# Altium PCB Standby_PS.PcbDoc (part 2 of 2)
Units mm, origin at the board's own origin, x right, y up, seen from the top; angles counter-clockwise.
Board outline 230 x 80 mm, 2 copper layers (Top Layer, Bottom Layer), stack 1.071 mm thick; 207 components, 84 nets, 482 pads, 84 vias.
Unrouted connection lines stored in the file: 340.
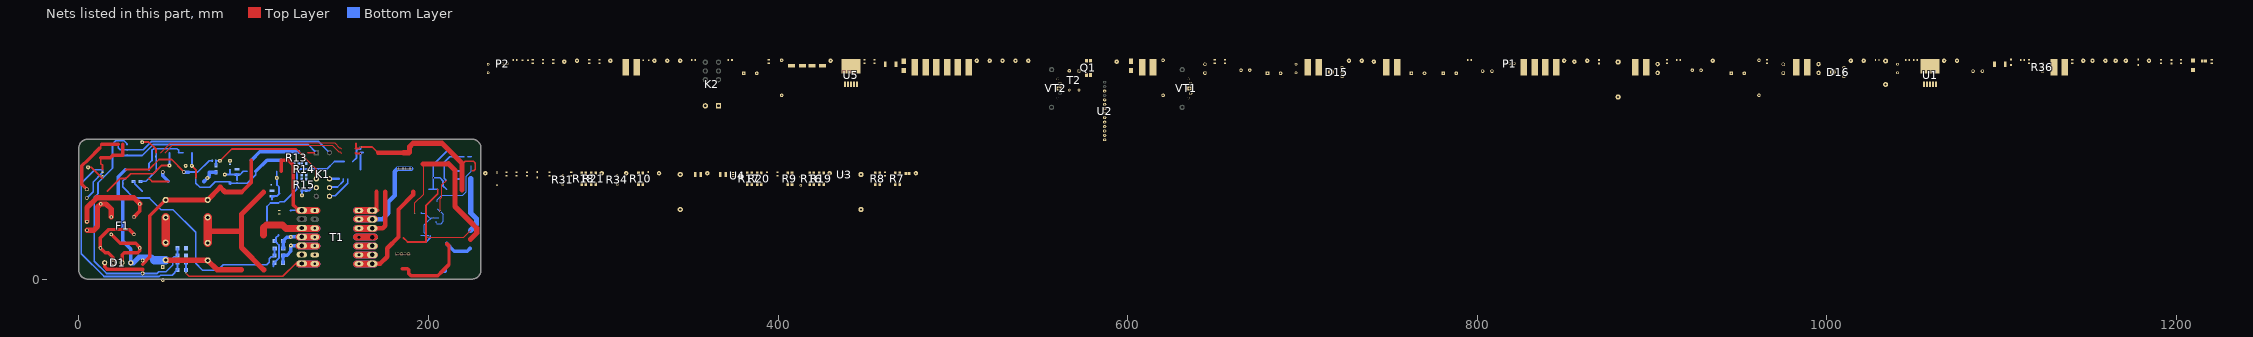
[diagram p2: the nets of this part, all layers, seen from the top]

## Part data
C1 C19: library part CAP_polar_Hitano
C2 C4 C6 C9 C18 C20 C21 C22 C23 C28 C30 C31 C34 C35 C36 C39 C41 C43 C47: library part CAP-NON-POLAR
C5 C8 C29 C32 C33 C37 C38 C45: library part CAP-POLAR
C24 C25 C26: library part CAP-V
C27 C40: library part CMP-1036-04552-2, "CAP CER 0.22UF 50V X7R 0805", Capacitance="0.22 μF", Manufacturer=KEMET, Manufacturer Part Number=C0805C224K5RACTU, Package=C0805C-DN, Temperature="-55°C to +125°C", Temperature Characteristic=X7R, Temperature Coefficient=30ppm/°C, Temperature Range High=+125°C, Temperature Range Low=-55°C, Tolerance=0.1, Voltage Rating="50 V", Automotive=No, Category=Cap, ComponentLink2Description=Datasheet, ComponentLink2URL=https://content.kemet.com/datasheets/KEM_C1003_C0G_SMD.pdf, Device Class L1="Passive Components", Device Class L2=Capacitors, Device Class L3="Ceramic Capacitors", Digikey Description="CAP CER 0.22UF 50V X7R 0805", Height=0.88mm, Ipc Land Pattern Name=CAPC200125X78, Lead Free=Yes, Material=Ceramic, Mouser Description="CAP CER 0.22UF 50V X7R 0805", Octopart=https://octopart.com/c0805c224k5ractu-kemet-144670, RoHS=TRUE
C44 C46: library part CAP_POL_SMD
D2 D18: library part SS36_Schottky
D7 D8 D9 D10 VD7 VD8 VD9 VD10 VD11: library part 1N4148, "Fast Switching Diode, 100 V, 0.15 A, -65 to 150 degC, 2-Pin?SOD123, RoHS, Tape and Reel", If - Forward Current=0.15A, Ir - Reverse Current=1uA, Manufacturer=DiodesIncorporated, Max Surge Current=2A, Maximum Operating Temperature=+150C, Minimum Operating Temperature=-65C, Operating Temperature Range=-65Cto+150C, Package / Case=SOD-123, Package Reference=SOD123-2, Peak Reverse Voltage=100V, Vf - Forward Voltage=1.25V, Brand=DiodesIncorporated, Configuration=Single, Datasheet URL=http://www.farnell.com/datasheets/1915529.pdf, Datasheet Version="Rev. 24-2, 10/2013", Factory Pack Quantity=3000, Height=1.25mm, Length=2.85mm, Manufacturer URL=http://www.diodes.com/, Mounting Style=SMD/SMT, Package URL=http://www.diodes.com/datasheets/ds18004.pdf, Packaging=Reel, Product=SwitchingDiodes, Product Category=Diodes-GeneralPurpose,Power,Switching, Recovery Time=4ns, RoHS=True, Series=1N4148, Type=SwitchingDiode, Unit Weight=0.000353oz, Width=1.7mm
D17: library part CMP-02541-000026-1, "DIODE ZENER 8.2V 500MW DO35", Case/Package=DO-35, Max Operating Temperature=175°C, Max Power Dissipation=500mW, Max Reverse Leakage Current=100nA, Min Operating Temperature=-65°C, Package Quantity=30000, Test Current=5mA, Tolerance=2%, Zener Voltage=8.2V, Contact Plating=Tin, Element Configuration=Single, ESD Protection=No, Impedance=7R, Lead Free="Lead Free", Mount="Through Hole", Number of Pins=2, Packaging="Ammo Pack", Power Dissipation=500mW, Radiation Hardening=No, RoHS Compliant=Yes, Series="Automotive, AEC-Q101", Voltage Tolerance=2%
D19 D20 D21: library part LED, "WURTH ELEKTRONIK - 151031YS06000 - LED, Yellow, Through Hole, T-1 (3mm), 30 mA, 2 V, 590 nm", Manufacturer_Name="Wurth Elektronik", Manufacturer_Part_Number=151031YS06000, Mouser Part Number=710-151031YS06000, Datasheet Link=https://katalog.we-online.de/led/datasheet/151031YS06000.pdf, Geometry.Height=5.5mm, Mouser Price/Stock=https://www.mouser.co.uk/ProductDetail/Wurth-Elektronik/151031YS06000?qs=LlUlMxKIyB3xSYYW%252BcuBiQ%3D%3D
J1 J4: "WR-TBL Series 101 Horizontal Entry Modular, THT, pitch 5mm, 2p", Manufacturer="Wurth Elektronik", Operating Temperature Max=105°C, Operating Temperature Min=-40°C, Rated Current=16A, Working Voltage=250V, Application="Pressure Clamp", Category="Terminal Blocks", ComponentLink1Description="Website Link", ComponentLink1URL=https://www.we-online.com/redexpert/article/691101710002?ad, ComponentLink2Description="Datasheet Link", ComponentLink2URL=https://www.we-online.com/redexpert/spec/691101710002?ad, Manufacturer Part Number=691101710002, Match Code=WR-TBL, Modularity=Yes, Mount="Through Hole", Number of Pins=2, Number of Rows=1, Orientation=Horizontal, Packaging=Box, Pitch=5mm
J2 J3: "WR-TBL Series 102 Horizontal Entry Modular, THT, pitch 5mm, 2p", Manufacturer="Wurth Elektronik", Operating Temperature Max=105°C, Operating Temperature Min=-40°C, Rated Current=15A, Working Voltage=250V, Application="Pressure Clamp", Category="Terminal Blocks", ComponentLink1Description="Website Link", ComponentLink1URL=https://www.we-online.com/redexpert/article/691102710002?ad, ComponentLink2Description="Datasheet Link", ComponentLink2URL=https://www.we-online.com/redexpert/spec/691102710002?ad, Manufacturer Part Number=691102710002, Match Code=WR-TBL, Modularity=Yes, Mount="Through Hole", Number of Pins=2, Number of Rows=1, Orientation=Horizontal, Packaging=Box, Pitch=5mm
K2: library part F1CA005V, "F1CA005V"
L1 L2 L3 L5 L6 L7 L8 L9 L10 L11: library part 744776012, "WE-PD2 SMT Power Inductor, size 1054, 1.2µH, 7.4A, 0.006Ω", Case/Size Code=1054, DC Resistance=0.004Ω, DC Resistance Max=0.006Ω, Inductance=1.2µH, Manufacturer="Wurth Elektronik", Operating Temperature Max=125°C, Operating Temperature Min=-40°C, Rated Current=7.4A, Saturation Current=11A, Self Resonant Frequency=110MHz, Category="Unshielded Power Inductors", ComponentLink1Description="Website Link", ComponentLink1URL=https://www.we-online.com/redexpert/article/744776012?ad, ComponentLink2Description="Datasheet Link", ComponentLink2URL=https://www.we-online.com/redexpert/spec/744776012?ad, Height=5.4mm, Length=10mm, Manufacturer Part Number=744776012, Match Code=WE-PD2, Mount="Surface Mount", Packaging="Tape and Reel", Width=9mm, Simulation ModelName=1054_744776012_1.2u, Simulation ModelText=".subckt 1054_744776012_1.2u 1 2 / Rp 1 2 3008.47196972 / Cp 1 2 1.94370161067p / Rs 1 N3 0.006 / L1 N3 2 1.2u / .ends 1054_744776012_1.2u", Simulation PortMap=(1:1),(2:2)
L4 L12: library part 744776122, "WE-PD2 SMT Power Inductor, size 1054, 22µH, 2.04A, 0.1Ω", Case/Size Code=1054, DC Resistance=0.051Ω, DC Resistance Max=0.1Ω, Inductance=22µH, Manufacturer="Wurth Elektronik", Operating Temperature Max=125°C, Operating Temperature Min=-40°C, Rated Current=2.04A, Saturation Current=2.07A, Self Resonant Frequency=16MHz, Category="Unshielded Power Inductors", ComponentLink1Description="Website Link", ComponentLink1URL=https://www.we-online.com/redexpert/article/744776122?ad, ComponentLink2Description="Datasheet Link", ComponentLink2URL=https://www.we-online.com/redexpert/spec/744776122?ad, Height=5.4mm, Length=10mm, Manufacturer Part Number=744776122, Match Code=WE-PD2, Mount="Surface Mount", Packaging="Tape and Reel", Width=9mm, Simulation ModelName=1054_744776122_22u, Simulation ModelText=".subckt 1054_744776122_22u 1 2 / Rp 1 2 22000 / Cp 1 2 4.3p / Rs 1 N3 0.0511 / L1 N3 2 22u / .ends 1054_744776122_22u", Simulation PortMap=(1:1),(2:2)
P1 P2: "WR-WTB THT Male Vertical Locking Header, pitch 2.54mm, 3pins", Contact Resistance=20mΩ, Manufacturer="Wurth Elektronik", Operating Temperature Max=105°C, Operating Temperature Min=-40°C, Rated Current=3A, Withstanding Voltage=1000VAC, Working Voltage=250VAC, Category="Wire-to-Board Connectors", ComponentLink1Description="Website Link", ComponentLink1URL=https://www.we-online.com/redexpert/article/61900311121?ad, ComponentLink2Description="Datasheet Link", ComponentLink2URL=https://www.we-online.com/redexpert/spec/61900311121?ad, Gender=Male, Height=11.5mm, Length=7.62mm, Manufacturer Part Number=61900311121, Match Code=WR-WTB, Mount="Through Hole", Number of Pins=3, Number of Rows=1, Orientation=Vertical, Packaging=Bag, Pitch=2.54mm, Width=5.8mm
Q1: library part CMP-65434-000005-1, "OPTOISOLATOR 5KV TRANS 4SMD", Case/Package=SMD/SMT, Collector Emitter Saturation Voltage=200mV, Collector Emitter Voltage (VCEO)=80V, Forward Current=50mA, Forward Voltage=1.4V, Isolation Voltage=5kV, Max Operating Temperature=100°C, Max Power Dissipation=200mW, Min Operating Temperature=-30°C, Output Current per Channel=30mA, Package Quantity=2000, Reverse Breakdown Voltage=6V, Collector-emitter Voltage-Max=200mV, Contact Plating=Copper, Fall Time=18000ns, Input Current=50mA, Input Type=DC, Isolation Voltage-Max=5kV, Lead Free="Lead Free", Max Collector Current=50mA, Max Input Current=50mA, Max Output Voltage=80V, Mount="Surface Mount", Number of Channels=1, Number of Elements=1, Number of Pins=4, Output Voltage=80V, Packaging="Tape and Reel", Power Dissipation=200mW, Radiation Hardening=No, Rise Time=18000ns, RoHS Compliant=Yes
R1 R5 R6 R7 R8 R9 R10 R13 R14 R15 R16 R17 R18 R19 R20 R21 R22 R23 R24 R27 R29 R30 R38 R42 R43 R44 R45 R46: library part RES-CONST
R2 R40 R41: library part RES-CONST, "1K"
R3 R4: library part RES_1210
R25 R26 R35: library part RES-CONST, "10K"
R28 R37 R39: library part RES_THT
R31 R34 R36: library part RES_Adj
R32 R33: library part RES-CONST, "1-K"
TP1 TP2 TP3 TP4 TP5 TP6 TP7 TP8 TP9 TP10 TP11 TP12 TP13 TP14 TP15 TP16 TP17 TP18 TP19 TP20 TP21 TP22 TP23 TP24 TP25 TP26 TP27 TP28 TP29 TP30 TP31 TP32 TP33 TP34 TP35 TP36 TP37 TP38 TP39 TP40 TP41 TP42 TP43 TP44 TP45 TP46 TP47 TP48 TP49 TP50: library part TP_PCB?, "Test_Point"
U1 U5: library part LM2576D2T-005G
U2: library part Half_Bridge_PWM
U3: library part TL431_SOT-23-3, "TL431_SOT-23-3"
U4: library part CMP-1310-00291-2, "IC OPAMP GP 2 CIRCUIT 8SOIC", Case/Package=SOIC, Dual Supply Voltage=9V, Input Bias Current=250nA, Input Offset Voltage (Vos)=7mV, Max Dual Supply Voltage=16V, Max Operating Temperature=70°C, Max Supply Voltage=32V, Min Dual Supply Voltage=1.5V, Min Operating Temperature=0°C, Min Supply Voltage=3V, Nominal Supply Current=1.2mA, Operating Supply Current=1.5mA, Output Current=40mA, Package Quantity=2500, Power Supply Rejection Ratio (PSRR)=65dB, Voltage Gain=100dB, Bandwidth=1MHz, Common Mode Rejection Ratio=65dB, Contact Plating=Tin, Gain Bandwidth Product=1MHz, Halogen Free="Halogen Free", Height=1.5mm, Lead Free="Lead Free", Length=5mm, Number of Amplifiers=2, Number of Channels=2, Number of Circuits=2, Number of Elements=2, Number of Pins=8, Operating Supply Voltage=16V, Output Current per Channel=40mA, Packaging="Tape and Reel", Radiation Hardening=No, REACH SVHC="No SVHC", Slew Rate=0.6V/µs, Width=4mm
VD2: library part Suppressor
VD3 VD4: library part ESD_Unidirect
VD5: library part ZENER

## Via types
v1: diameter 0.8, hole 0.4, Top Layer to Bottom Layer, tented both sides, 79 vias
v2: diameter 0.8, hole 0.5, Top Layer to Bottom Layer, tented both sides, 2 vias
v3: diameter 0.8, hole 0.3, Top Layer to Bottom Layer, tented both sides, 2 vias
v4: diameter 1.5, hole 1, Top Layer to Bottom Layer, tented both sides, 1 vias

## Nets (pads, with @x,y where several pads share a name; then routed paths per layer and width w, separated by ;. In a path a pad name is that pad's centre, name@x,y a point inside that pad or via, vN(x,y) a via of type N, cw(c..) or ccw(c..) an arc to the next point about the centre after c; other vN are vias at no path point)
+20V: C43.2 C45.1 J2.1 L11.2 R30.2 R33.2 R38.2 R44.2 TP48.1 | length 107.2
  Top Layer w0.5: v3(192.239,37.702) 192.239,43.714 197.175,48.65 197.175,64.8 ; 197.575,65.45 197.575,65.85 197.575,66.025
  Top Layer w3: 197.075,65.85 197.575,65.85 211.3,65.85 ; 211.425,65.975 215.125,62.275 215.125,41.725 ; 215.125,41.591 224.041,32.675 227.641,29.075 227.641,26.35 224.041,22.75
  Bottom Layer w0.3: 216.2,61.775 216.276,61.85
  Bottom Layer w1: 211.425,65.975 215.55,61.85 ; 214.95,59.3 214.95,61.25 215.55,61.85 ; 218.775,61.85 216.276,61.85 215.55,61.85
+550V: C11.1 C13.1 C15.2 R7.2 R13.2 R16.2 R19.2 RT1.1 VT1.2 | length 139.3
  Top Layer w2: 36.5,8.55 40.6,12.65 40.6,36.225 C11.1@49.65,45.275 ; 93,49.658 98.742,55.4 98.742,61.727 98.742,68.077
  Top Layer w3: C11.1@49.65,45.275 C13.1@73.7,45.275 80.912,52.488 ; 80.875,52.525 80.912,52.488 ; 92.895,49.75 83.65,49.75 80.912,52.488
  Bottom Layer w2: 98.742,68.077 103.465,72.8 R13.2@123.175,72.8 ; R13.2@123.3,72.8 125.625,72.8 R13.2@125.75,72.675
GND: C1.2 C2.1 C4.2 C5.2 C6.2 C8.2 C9.1 C12.2 C14.2 C16.1 C18.2 C19.2 C20.1 C21.1 C22.1 C23.1 C24.1 C25.1 C26.1 D1.1 D2.2 D8.2 D10.2 L3.1 R2.1 R6.2 R10.1 R23.2 TP2.1 U1.3 U1.5 U1.6 U2.5 U2.6 U2.12 VD2.1 VD4.2 VD5.2 VT2.3 | length 284
  Top Layer w0.4: C12.2@49.65,10.825 C12.2@49.712,10.762 ; C14.2@73.638,10.762 C14.2@73.7,10.7
  Top Layer w1: 26.775,62.75 26.9,62.625 39.775,62.625 39.975,62.825 40.308,62.825 45.858,68.375 53.075,68.375 60.041,61.409 VD5.2@60.041,61.225
  Top Layer w3: C12.2@49.712,10.762 C14.2@73.638,10.762 ; C14.2@73.7,10.7 79.025,5.375 93,5.375
  Bottom Layer w0.4: 114.154,43.525 114.878,44.249
  Bottom Layer w1: 40.125,62.389 40.125,66.175 41.761,67.811 41.761,72.25 41.765,72.254 41.765,73.64 42.717,74.592 56.133,74.592 57.086,73.639 57.086,72.255 57.091,72.25 ; 57.007,72.25 57.091,72.25 ; 59.631,72.25 57.091,72.25 ; 62.791,61.225 68.043,61.225 74.493,67.675 C20.1@76.375,67.675 ; 107.6,33.05 107.6,41.514 109.611,43.525 114.154,43.525 ; 114.878,44.249 117.549,44.249 124.725,51.425 124.725,61 126.625,62.9 141.9,62.9 146.225,67.225 151.675,67.225
  Bottom Layer w2: 26.436,62.511 22.475,58.55 22.475,47.95 24.95,45.475 24.95,21.875 29.65,17.175 D1.1@29.65,9.375 ; VD5.2@60.041,61.225 62.791,61.225
  Bottom Layer w3: D1.1@29.725,9.3 31.275,9.3 34.55,12.575 41.525,12.575 43.275,10.825
  Bottom Layer w5: 43.275,10.825 C12.2@49.65,10.825
GND_1: C24.2 C27.1 C28.1 C30.1 C37.2 C40.2 C41.1 C42.2 C43.1 C45.2 D17.2 D19.2 D20.2 L9.2 P1.2 R25.1 R26.1 R31.3 R32.1 R36.3 R39.1 R46.1 TP43.1 TP49.1 U3.3 U4.4 | length 242.1
  Top Layer w1: 158.525,77.6 158.525,74.97 158.2,74.645 160.269,74.645 v1(161.149,75.525) 167.9,75.525 171.15,72.275 ; 185.65,23.575 188.05,21.175 198.55,21.175 ; 185.85,72.275 185.9,72.225 ; 198.519,21.206 198.55,21.237 198.55,42.018 205.317,48.785 205.317,51.385 ; 219.184,65.609 220.985,67.41 224.525,67.41 224.585,67.35 225.761,67.35 226.75,66.361 226.75,62.818 225.832,61.9 225.2,61.9
  Top Layer w2.5: 171.15,72.275 185.85,72.275
  Top Layer w3: 185.9,72.225 188.775,72.225 189.15,72.6 189.15,75.65 191.2,77.7 207.7,77.7 211.425,73.975 219.184,66.216 219.184,65.609 219.184,57.351 219.184,51.001
  Bottom Layer w0.3: 219.109,57.275 219.184,57.351
  Bottom Layer w0.5: 195.877,37.788 199.006,37.788 ; 199.019,37.775 199.019,36.622 200.189,35.452 200.269,35.452 201.169,34.552 ; 200.235,25.072 199.103,25.072 197.675,26.5 197.675,30.996 197.595,31.077 197.595,31.102 200.144,33.652 200.269,33.652 201.169,34.552 ; 204.092,35.003 v1(202.856,35.003) 201.62,35.003 201.169,34.552 ; 204.117,35.028 205.914,35.028
  Bottom Layer w1: 156.625,67.225 156.7,67.225 158.875,69.4 158.875,73.789 159.461,74.375 161.149,74.375 v1(161.149,75.525) ; 171.175,72.3 174.025,72.3 ; 195.864,37.801 195.877,37.788 ; 198.642,21.175 201.04,23.573 201.04,24.838 ; 200.277,51.385 202.8,51.385 ; 205.317,51.385 202.8,51.385 ; 210.332,51.385 208.275,53.442 208.275,56.25 206.589,57.936 v1(202.8,57.936) ; 211.425,73.975 202.8,65.35 v1@202.8,57.937 ; 214.9,57.275 219.109,57.275 ; 202.8,51.385 v1@202.8,57.936
GND_2: C25.2 C33.2 C36.1 C38.2 C39.1 J3.2 L8.2 R37.1 TP42.1 | length 65.3
  Top Layer w2: 185.1,5.8 187.975,5.8 188.85,4.925 188.85,2.997 190.022,1.825 205.225,1.825 208,4.6 211.75,8.35 211.75,18.925 210.35,20.325
  Bottom Layer w1: 209.493,4.6 209.994,5.101 209.994,7
  Bottom Layer w2: 208,4.6 209.493,4.6 ; 210.35,20.5 210.35,20.325 214.776,15.899 222.191,15.899 224.041,17.75
GND_3: C26.2 C29.2 C31.2 C32.2 C35.2 C44.2 C46.2 C47.2 D18.2 D21.2 J4.2 K2.1 L5.2 R28.1 R41.1 TP34.1 U5.3 U5.5 U5.6 VD11.2 | length 288.8
  Top Layer w1: 12.5,69.375 12.5,66.05 13.55,65 13.55,62.675 13.475,62.6 ; 130.9,72.325 135.85,72.325
  Top Layer w2: 12.5,69.375 17.973,69.375 19.298,70.7 24.985,70.7 24.985,77.05
  Bottom Layer w1: J4.2@4.55,46.325 8.2,49.975 8.2,55.55 13.45,60.8 13.45,62.575 13.475,62.6 9.079,62.6 1.35,54.871 1.35,14.475 14.4,1.425 45.95,1.425 46.7,2.175 53.3,2.175 56.375,5.25 56.375,9.4 ; 24.985,70.7 27.6,70.7 36.175,70.7 42.45,76.975 131.2,76.975 135.85,72.325
I_SENS: J2.2 R25.2 R26.2 TP37.1 U4.5 | length 62.7
  Top Layer w0.5: v1(199.733,23.913) 220.113,23.913 224.079,27.879
  Bottom Layer w0.5: 195.603,25.072 197.551,25.072 198.652,23.971 199.675,23.971 v1(199.733,23.913)
  Bottom Layer w3: 224.041,27.75 227.466,31.175 227.466,34.474 224.265,37.675 ; 224.175,37.808 224.175,45.393 224.184,45.403 ; 224.184,45.468 224.184,51.001 224.184,57.351
NetC1_1: C1.1 C9.2 L4.2 R1.2 TP7.1 VD1.2 | length 7.8
  Bottom Layer w1: VD1.2@31.246,55.733 VD1.2@31.241,55.729 31.641,55.729 31.991,55.379 31.991,54.584 36.3,50.275 36.296,50.271
NetC2_2: C2.2 C4.1 C5.1 L1.1 TP1.1 U1.1 U2.8 VD2.2
NetC3_1: C3.1 F1.2 J1.1 | length 51
  Top Layer w2: F1.2@31.525,35.525 34.9,38.9 34.9,42.95 C3.1@34.875,42.975 C3.1@34.875,43.05
  Top Layer w3: J1.1@4.575,32.875 4.575,40.853 10.272,46.55 31.375,46.55 C3.1@34.875,43.05
NetC3_2: C3.2 F1.1 J1.2 | length 32.4
  Top Layer w3: J1.2@4.575,27.875 8.5,27.875 10.65,30.025 10.65,41.15 C3.2@12.475,42.975 ; C3.2@12.5,43 15.55,43 18.525,40.025 F1.1@18.525,35.525
NetC6_1: C6.1 C8.1 L1.2 L2.1 TP3.1
NetC7_1: C7.1 D1.3 F1.3 | length 40.6
  Top Layer w2: C7.1@12.35,17.675 14.975,15.05 16.83,15.05 19.7,12.18 D1.3@19.7,9.325 ; C7.1@12.35,17.8 12.325,17.825 12.325,23.6 17.075,28.35 28.7,28.35 F1.3@31.525,25.525
NetC7_2: C7.2 D1.2 F1.4 | length 37
  Top Layer w2: F1.4@18.525,25.525 18.575,25.525 23.7,20.4 32.425,20.4 34.75,18.075 C7.2@34.75,17.8 ; D1.2@24.725,9.3 24.725,13.878 25.897,15.05 33.578,15.05 34.775,16.247 C7.2@34.775,18.028
NetC10_1: C10.1 R11.1 R12.1 T2.1
NetC10_2: C10.2 T1.1 TP13.1 | length 50.7
  Top Layer w2: 115.767,61.727 115.767,68.077 119.898,68.077 122.5,65.475 122.5,42.475 124.854,40.121 125.478,40.121 126.228,39.371 T1.1@127.884,39.371
  Bottom Layer w1: 121.125,39.1 121.125,39.169 121.327,39.371 T1.1@127.884,39.371
NetC11_2: C11.2 C12.1 C13.2 C14.1 C15.1 C16.2 C17.2 R8.1 R9.2 T1.3 TP12.1 TP17.1 | length 130.4
  Top Layer w3: C14.1@73.7,20.7 73.835,20.7 74.085,20.45 C14.1@74.157,20.45 ; 73.7,27.7 73.992,27.408 93,27.408 ; 105.645,49.658 105.645,49.649 105.574,49.649 93,37.075 93,29.592 93,27.408 ; 105.725,5.271 93,17.996 93,25.441 93,27.408
  Top Layer w4: 105.725,25.337 105.725,29.417 107.333,31.025 116.525,31.025 118.525,29.025 T1.3@126.575,29.025
  Top Layer w5: C12.1@49.65,20.825 C11.2@49.65,35.275 ; C14.1@73.7,20.7 73.7,27.7 C13.2@73.7,35.275
NetC17_1: C17.1 R11.2 R12.2
NetC18_1: C18.1 C19.1 TP18.1 TP19.1 U2.1 VD1.1 VD5.1 VD6.1 | length 63
  Top Layer w1: TP18.1@36.225,78.3 36.325,78.4 39.925,78.4 44.148,74.177 44.148,72.403 44.301,72.25 ; 40.061,57.625 41.861,55.825 51.091,55.825 51.316,55.6
  Bottom Layer w1: VD1.1@35.241,55.729 35.47,55.958 38.383,55.958 44.301,61.876 44.301,72.25
  Bottom Layer w2: VD5.1@48.041,61.225 48.041,59.009 51.2,55.85 ; 71.291,55.55 TP19.1@73.517,57.776 74.716,58.975 74.716,61 ; 74.791,61.225 74.915,61.101 VD6.1@78.391,61.101
NetC20_2: C20.2 K1.2 TP20.1 VD6.2 | length 73.5
  Top Layer w1: TP20.1@80.7,67.675 87.425,74.4 124.25,74.4 135.675,62.975 K1.2@135.675,56.873
  Bottom Layer w1: VD6.2@78.391,65.101 78.383,65.109 78.383,67.667 C20.2@78.375,67.675 TP20.1@80.7,67.675
NetC21_2: C21.2 D7.1 D9.1 R22.1 TP22.1 | length 59.7
  Top Layer w0.5: v1(206.792,38.726) 206.792,45.992 207.7,46.9 207.7,53.833 210.332,56.465
  Bottom Layer w0.5: 204.186,33.027 204.316,33.027 204.316,32.245 204.785,31.777 207.264,31.777 208.489,33.002 208.489,37.029 ; 205.144,40.177 205.244,40.077 205.442,40.077 208.489,37.029 ; v1(206.792,38.726) 208.489,37.029
  Bottom Layer w0.8: 210.332,56.465 210.132,56.665 210.01,56.665 209.1,57.575 209.1,66.825 212.225,69.95 220.45,69.95
NetC22_2: C22.2 R22.2 R23.1 R24.1 TP23.1
NetC23_2: C23.2 R24.2 TP24.1 U2.7
NetC27_2: C27.2 R30.1 TP30.1 U3.1 U3.2 VD7.2 VD8.2
NetC28_2: C28.2 R27.2 R31.1 VD7.1
NetC29_1: C29.1 C31.1 L6.2 L7.1 R28.2 TP29.1
NetC30_2: C30.2 R29.2 R36.1 VD8.1
NetC32_1: C32.1 C35.1 L7.2 TP33.1 U5.1
NetC33_1: C33.1 C36.2 D15.2 L10.1 R37.2 TP36.1
NetC34_1: C34.1 R35.1 TP46.1 U4.1 VD10.2
NetC34_2: C34.2 R31.2 R35.2 TP31.1 U4.2
NetC37_1: C37.1 C41.2 D16.2 L11.1 R39.2 TP38.1
NetC38_1: C38.1 C39.2 J3.1 L10.2 TP41.1
NetC40_1: C40.1 C42.1 D17.1 R38.1 TP39.1 U4.8
NetC44_1: C44.1 C46.1 C47.1 J4.1 K2.8 L12.2 R40.2 R45.2 TP47.1 VD11.1 | length 169
  Top Layer w1: 11.925,74.975 12,74.975 12.5,75.475 12.5,76.55 13,77.05
  Top Layer w2: J4.1@4.55,51.325 1.7,54.175 1.7,64.75 5.25,68.3 11.925,74.975 ; 13,77.05 22.445,77.05
  Bottom Layer w1: 22.445,77.05 22.445,75.155 23.625,73.975 36.875,73.975 41.65,78.75 136.925,78.75 143.35,72.325
NetD1_4: D1.4 RT1.2 | length 25
  Top Layer w2: D1.4@14.213,9.3 14.258,9.3 14.719,8.838 14.719,6.981 16.225,5.475 36.475,5.475 36.5,5.45
NetD2_1: D2.1 L4.1 TP4.1 U1.2
NetD3_1: D3.1 D5.1 L2.2 TP5.1 | length 180.3
  Top Layer w1: 16.325,50.325 23.584,57.584 26.952,57.584 26.952,57.656 27.546,58.25 27.618,58.25 29.668,60.3 42.482,60.3 47.107,64.925 TP5.1@51.875,64.925
  Bottom Layer w0.5: TP5.1@51.875,64.925 TP5.1@51.898,64.948 ; 51.898,72.227 51.921,72.25 ; D3.1@111.894,17.425 D3.1@112.019,17.55
  Bottom Layer w1: 26.725,57.7 25.1,56.075 25.1,54.63 25.1,52.725 31.48,46.345 40.353,46.345 46.998,39.7 53.85,39.7 66.875,26.675 66.875,8.975 70.75,5.1 79.423,5.1 82.548,8.225 107.525,8.225 108.875,9.575 108.875,11.625 110.049,12.799 111.218,12.799 D5.1@111.894,13.475 D3.1@111.894,17.425 ; TP5.1@51.898,64.948 51.898,72.227
NetD3_2: D3.2 D4.1 T1.4 TP8.1 | length 15.9
  Bottom Layer w0.5: D3.2@116.9,17.55 D3.2@116.936,17.586
  Bottom Layer w2: D3.2@116.9,17.55 D4.1@116.9,21.164 ; D4.1@116.936,21.245 116.981,21.245 117.136,21.4 D4.1@117.136,21.445 ; D4.1@116.981,21.7 117.181,21.9 117.181,22.156 118.981,23.956 121.004,23.956 121.093,24.045 TP8.1@121.132,24.007 ; TP8.1@121.225,24.1 121.241,24.116 127.868,24.116 T1.4@127.884,24.131
NetD4_2: D4.2 D6.2 L3.2 | length 21.3
  Bottom Layer w1: 111.225,7.225 111.325,7.325 111.35,7.325 111.35,8.85 D6.2@111.875,9.375 114.45,11.95 114.45,19.45 112.9,21 112.725,21 D4.2@112.025,21.7 ; D4.2@112.1,21.7 112.723,22.323 112.723,23.598 114.257,25.132 114.257,25.184
NetD5_2: D5.2 D6.1 T1.5 TP11.1 | length 19.4
  Bottom Layer w0.5: D6.1@116.756,9.375 D6.1@116.775,9.394 ; TP11.1@121.275,19.15 TP11.1@121.281,19.143 ; T1.5@127.877,19.143 T1.5@127.884,19.137
  Bottom Layer w2: D6.1@116.775,9.394 D5.2@116.775,13.475 ; D5.2@116.861,13.561 116.975,13.675 119.125,13.675 121.275,15.825 TP11.1@121.275,19.15 ; TP11.1@121.281,19.143 T1.5@127.877,19.143
NetD7_2: D7.2 D8.1 T2.4
NetD9_2: D9.2 D10.1 T2.3
NetD11_1: D11.1 D12.2 T1.7 TP25.1 | length 76.5
  Top Layer w1: v2(61.256,3.275) 62.981,1.55 116.725,1.55 124.066,8.891 T1.7@127.845,8.891
  Bottom Layer w1: v2(61.256,3.275) D11.1@61.256,9.4
NetD11_2: D11.2 D13.2 L5.1 TP27.1
NetD12_1: D12.1 D14.1 L6.1 TP28.1 | length 153.7
  Top Layer w1: TP28.1@5.239,63.925 5.263,63.949 7.001,63.949 13.35,57.6 13.475,57.6
  Bottom Layer w1: 27.525,77.05 27.525,77.45 25.825,79.15 21.075,79.15 19.2,77.275 19.2,63.325 13.475,57.6 10.9,55.025 10.9,48.875 8.725,46.7 8.725,10.275 15.775,3.225 44.725,3.225 45.675,4.175 48.025,4.175 49.825,4.175 53.7,8.05 53.7,11.925 54.575,12.8 55.694,12.8 D12.1@56.394,13.5 D14.1@56.394,17.625
NetD13_1: D13.1 D14.2 T1.6 TP26.1
NetD15_1: D15.1 T1.10
NetD15_3: D15.3 T1.8 | length 51
  Top Layer w2.5: T1.8@170.254,8.825 172.475,8.825 176.45,12.8 176.45,17.675 182.85,24.075 182.85,39.8 191.225,48.175 191.225,49.867
NetD16_1: D16.1 T1.14 | length 11.6
  Top Layer w2: T1.14@170.193,39.244 171.037,39.244
  Top Layer w2.5: T1.14@170.26,39.311 170.26,50.05
NetD16_3: D16.3 T1.12 | length 25.3
  Top Layer w2.5: T1.12@170.193,29.084 173.876,29.084 175.34,30.548 175.34,50.05
NetD18_1: D18.1 L12.1 TP44.1 U5.2
NetD19_1: D19.1 R42.1
NetD20_1: D20.1 R44.1
NetD21_1: D21.1 R45.1
NetK1_3: K1.3 R15.1 R18.1 R21.1 TP21.1 | length 11.7
  Bottom Layer w1: TP21.1@127.65,47.875 127.638,47.887 127.638,50.712 R15.1@127.625,50.725 132.147,50.725 133.66,52.238 135.763,52.238 K1.3@135.85,52.325
NetK1_5: K1.5 P2.3 | length 16.1
  Bottom Layer w0.8: K1.5@143.35,47.325 143.65,47.625 146.675,47.625 153.79,54.74 153.79,57.375
NetK1_6: K1.6 P2.2 | length 10.8
  Bottom Layer w1: K1.6@143.35,52.325 143.659,52.634 147.969,52.634 151.25,55.915 151.25,57.375
NetK1_7: K1.7 P2.1 | length 5.4
  Bottom Layer w1.5: K1.7@143.4,57.375 148.71,57.375
  Bottom Layer w2: K1.7@143.35,57.325 K1.7@143.4,57.375
NetL8_1: L8.1 T1.9
  other v1: 181.4,13.825 182.2,13.825 183,13.825 183.8,13.825 184.6,13.825 185.4,13.825 186.2,13.825 187,13.825 187.8,13.825 188.6,13.825 189.4,13.825 181.365,14.65 182.165,14.65 182.965,14.65 183.765,14.65 184.565,14.65 185.365,14.65 186.165,14.65 186.965,14.65 187.765,14.65 188.565,14.65 189.365,14.65
NetL9_1: L9.1 T1.13 | length 47
  Bottom Layer w2.5: T1.13@167,34.25 173.7,34.25 177.025,37.575 177.025,44.1 180.7,47.775 180.7,61.495 182.28,63.075 183.844,63.075 184.669,63.075 185.469,63.075 186.269,63.075 187.844,63.075 188.644,63.075 v1@190.225,63.075
  other v1: 182.269,62.96 183.069,62.96 183.869,62.96 184.669,62.96 185.469,62.96 186.269,62.96 187.069,62.96 187.869,62.96 188.669,62.96 189.469,62.96 190.244,62.96 182.269,63.76 183.044,63.76 183.844,63.76 184.644,63.76 185.444,63.76 186.244,63.76 187.044,63.76 187.844,63.76 188.644,63.76 189.444,63.76 190.244,63.76
NetQ1_1: Q1.1
NetQ1_2: Q1.2 R43.2 R46.2 TP50.1 | length 14.5
  Top Layer w1: 158.2,72.105 158.538,71.767 v1(161.149,71.767)
  Bottom Layer w1: 161.149,62.575 v1(161.149,71.767) 161.149,72.375 161.162,72.388 162.737,72.388 162.75,72.4
NetQ1_3: Q1.3 U2.10 | length 106.8
  Top Layer w0.5: 46.841,72.291 52.425,77.875 146.45,77.875 149.08,75.245 149.4,75.245 150,74.645
NetQ1_4: Q1.4 U2.9 | length 104.1
  Top Layer w0.5: 49.381,72.296 53.51,76.425 145.045,76.425 148.765,72.705 149.4,72.705 150,72.105
NetR1_1: R1.1 R2.2 TP6.1 U1.4
NetR3_1: R3.1 TP9.1 U2.4
NetR3_2: R3.2 R6.1 TP14.1 VD4.1 | length 19.9
  Bottom Layer w1: R6.1@110.5,45.525 110.525,45.55 110.525,47.424 R3.2@110.55,47.449 113.197,47.449 114.878,49.13 ; 113.2,54 114.55,52.65 114.55,49.166 ; 113.227,61.727 TP14.1@113.227,57.825 113.275,57.777 113.275,54.175
NetR4_1: R4.1 TP10.1 U2.2
NetR4_2: R4.2 R5.1 TP15.1 VD3.1 VT1.1 | length 22.3
  Bottom Layer w1: TP15.1@83.475,59.799 83.5,59.825 86.422,59.825 86.449,59.851 ; 86.449,62.525 86.449,59.851 ; R4.2@89.175,59.849 89.824,59.849 92.224,59.849 ; R5.1@90.525,56.825 R4.2@90.525,59.799 ; R4.2@90.525,59.849 92.224,59.849 ; R4.2@90.525,60.124 89.824,60.124 89.551,59.85 86.45,59.85 86.449,59.851 ; 96.202,61.727 94.102,61.727 92.224,59.849
NetR5_2: R5.2 T2.2 TP16.1 U2.3 VD3.2 VT1.3 VT2.2 | length 77.6
  Top Layer w1: TP16.1@64.647,64.756 66.95,62.453 66.95,57.875 v1(66.925,57.85)
  Bottom Layer w1: TP16.1@64.647,64.756 64.647,72.185 ; v1(66.925,57.85) 66.925,54.894 69.294,52.525 74.825,52.525 77.925,55.625 85.794,55.625 86.45,54.969 ; 86.594,54.825 89.175,54.825 R5.2@90.525,54.825 ; 89.175,54.875 96.4,54.875 101.25,59.725 101.25,61.695
  Bottom Layer w2: 86.45,54.969 86.594,54.825 ; 101.282,61.727 107.632,68.077 115.767,68.077
NetR7_1: R7.1 R8.2
NetR9_1: R9.1 R10.2
NetR13_1: R13.1 R14.2 R16.1 R17.2 R19.1 R20.2
NetR14_1: R14.1 R15.2 R17.1 R18.2 R20.1 R21.2
NetR32_2: R32.2 R34.3
NetR33_1: R33.1 R34.1 TP32.1
NetR34_2: R34.2 U4.3
NetR36_2: R36.2 TP35.1 U4.6
NetR40_1: R40.1 R41.2 TP45.1 U5.4
NetR42_2: R42.2 R43.1 VD9.1 VD10.1
NetTP40_1: TP40.1 U4.7 VD9.2
PWM_I: P1.3 R29.1 | length 35.8
  Bottom Layer w0.5: 204.993,44.25 204.993,45.403 207.616,48.025 219.65,48.025 221.6,49.975 221.6,58.875 224.525,61.8 224.525,64.87
PWM_V: P1.1 R27.1 | length 2
  Bottom Layer w1: 222.55,69.95 224.542,69.95
pads on no net: K1.1 K1.4 K1.8 K2.2 K2.3 K2.4 K2.5 K2.6 K2.7 T1.2 T1.11 U2.11 U2.13 U2.14 VT1.0 VT2.0 VT2.1
copper on no net: | length 981.6
  Top Layer w0.5: v1(107.1,10.05) 107.136,10.05 112.186,5 113.998,5 114.207,5.209 ; 188.389,36.677 188.491,36.575 192.649,36.575 193.714,37.64 193.714,42.659 198.85,47.795 198.85,55.038 200.277,56.465 ; 189.365,26.07 189.613,26.07 195.469,31.926 195.469,42.123 202.842,49.496 202.842,52.867 203.9,53.925 205.317,53.925 ; v1(200.522,42.434) 200.5,42.413 200.5,27.2 v1(202.175,25.525) ; v3@201.872,27.602 209.025,34.755 209.025,45.1 ; 209.025,45.252 209.025,52.618 210.332,53.925
  Top Layer w0.8: v1(165.825,71.15) 167.525,69.45 173.35,69.45 182,60.8 v2(195.85,60.8)
  Top Layer w1: 27.525,77.05 27.525,77.093 27.884,77.453 27.928,77.453 ; 160.075,77.6 v1(161.325,77.6) ; 185.84,30.7 185.84,30.74 185.925,30.825 185.965,30.825 188.33,33.189 ; v1(222.425,61.895) 223.645,61.895 223.65,61.9
  Top Layer w1.2: v4(101.775,27.35) 101.775,30.966 106.534,35.725 114.675,35.725
  Top Layer w1.8: 114.207,5.209 114.207,7.718 98.375,23.55 98.375,33.325 118.307,53.257 118.307,61.727
  Top Layer w2: 162.75,56.35 162.775,56.375 ; 172.775,56.375 172.8,56.4 ; 195.625,5.8 204.2,5.8 208,9.6 ; 195.625,12.05 198.5,12.05 199.375,12.925 199.375,14.395 205.305,20.325 205.35,20.325
  Top Layer w2.5: 168.3,23.927 175.177,23.927 179.175,27.925 179.175,42.874 186.177,49.876
  Top Layer w4: 167.834,18.979 168.05,18.979 168.3,19.229 168.3,23.927
  Bottom Layer w0.5: 54.461,72.25 54.461,57.239 68.925,42.775 68.925,10.65 72.275,7.3 79.075,7.3 81.825,10.05 v1(107.1,10.05) ; v1(161.325,77.6) v1@161.338,77.587 ; 162.737,77.587 162.75,77.573 ; 188.389,36.677 190.474,34.592 190.799,34.592 191.829,34.592 191.869,34.552 ; 188.414,33.189 188.452,33.152 192.884,33.152 193.258,33.525 193.258,34.112 193.258,34.402 193.408,34.552 193.633,34.552 195.769,34.552 195.769,31.101 195.793,31.077 195.793,28.902 195.773,28.882 195.603,28.882 ; 188.414,36.702 188.464,36.651 ; 188.489,29.275 192.251,29.275 192.574,28.952 193.058,28.468 193.058,28.427 193.258,28.227 193.308,28.227 193.508,28.027 193.508,28.018 193.906,27.62 195.595,27.62 195.603,27.612 ; 189.365,26.025 191.319,26.025 191.635,26.342 195.603,26.342 ; 196.434,23.171 196.414,23.152 196.414,19.489 197.403,18.5 199.625,18.5 207.405,26.28 207.405,28.811 207.489,28.895 207.476,28.909 204.941,28.909 ; 200.235,26.342 200.243,26.333 201.291,26.333 202.099,25.525 v1(202.175,25.525) ; 200.235,27.612 200.24,27.607 201.834,27.607 201.896,27.544 202.331,27.544 202.966,26.909 204.941,26.909 ; 200.235,28.882 200.249,28.895 204.58,28.895 ; 200.277,53.877 199.15,52.75 199.15,46.577 200.522,45.205 v1(200.522,42.434) ; 203.191,28.909 204.594,28.909 ; 205.2,42.275 203.685,42.275 203.65,42.24 ; 205.317,56.433 205.348,56.433 205.667,56.115 205.667,56.083 206.767,54.983 206.767,49.666 203.65,46.549 203.65,42.24 ; 205.914,33.028 207.015,33.028 207.514,33.527 207.514,35.577 205.464,37.627 205.244,37.627 205.144,37.727 204.994,37.727 203.729,38.991 203.65,39.07 203.65,42.24
  Bottom Layer w0.7: 188.389,39.641 193.272,39.641 193.384,39.752 193.657,39.752 ; 188.725,39.952 188.762,39.989 ; 193.595,39.739 193.633,39.777 193.657,39.752 ; 201.644,37.727 201.644,40.177 199.971,40.177 199.934,40.14 199.934,39.728 199.91,39.752 198.104,39.752 195.864,39.752 193.657,39.752
  Bottom Layer w0.8: 67.251,72.25 67.251,70.799 67.85,70.2 83.81,70.2 86.385,67.625 ; 86.448,67.625 86.448,65.675 86.499,65.625 87,65.625 89.422,63.203 90.223,63.203 90.525,62.901 ; 164.75,77.573 164.75,72.175 165.775,71.15 v1(165.825,71.15) ; 193.264,23.127 193.264,23.152 193.273,23.161 ; 193.283,25.077 193.273,25.067 193.273,23.161 ; v2(195.85,60.8) 195.875,60.775 195.875,50.45 183.725,38.3 183.725,28.665 189.229,23.161 193.273,23.161
  Bottom Layer w1: 61.275,17.625 61.275,13.5 63.725,13.5 64.325,12.9 64.325,7.975 70.25,2.05 115.7,2.05 120.625,6.975 120.625,10.225 124.223,13.823 127.554,13.823 ; 62.171,72.25 62.171,68.721 61.125,67.675 61.125,64.778 58.503,64.778 57.6,63.875 57.6,59.55 67.75,49.4 85.75,49.4 88.925,52.575 110.075,52.575 ; 93,5.375 93.039,5.414 ; 100.76,5.414 100.799,5.454 ; 110.05,52.675 110.05,54 ; 110.075,52.675 110.075,50.753 110.277,50.551 110.325,50.551 ; 111.225,5.225 114.191,5.225 ; 114.675,40.675 115.979,39.371 118.124,39.371 ; 129.726,13.925 129.807,13.844 ; v1@161.338,77.587 162.737,77.587 ; 220.82,61.895 v1(222.425,61.895)
  Bottom Layer w2: 93.033,49.625 99.65,49.625 99.825,49.45 ; 93.039,5.414 100.76,5.414 ; 114.191,5.225 114.207,5.209 ; 205.35,20.325 212.925,12.75 224.265,12.75 ; 209.213,9.6 209.263,9.55 ; 215.993,9.55 216.125,9.418
  Bottom Layer w2.5: 162.775,56.375 172.775,56.375 ; 172.8,50.05 172.8,56.4 ; 188.717,56.377 188.717,50.027 188.717,48.231 181.4,40.914 181.4,23.7 186.55,18.55 191.9,18.55 200.85,9.6 209.213,9.6 ; 209.263,9.55 215.993,9.55
  Bottom Layer w3: 171.175,66.916 171.175,63.425 172.8,61.8 172.8,56.4 ; 171.191,66.941 173.8,69.55 ; 174.084,69.875 185.075,69.875 189.525,74.325 v1@192.515,74.325
  other v1: 192.615,74.425 193.415,74.425 194.215,74.425 195.015,74.425 195.815,74.425 196.615,74.425 197.415,74.425 198.215,74.425 199.015,74.425 199.815,74.425 200.615,74.425 192.615,75.225 193.39,75.225 194.19,75.225 194.99,75.225 195.79,75.225 196.59,75.225 197.39,75.225 198.19,75.225 198.99,75.225 199.79,75.225 200.59,75.225
  other v3: 201.839,27.602

## Polygon pours and split planes (outlines as drawn)
GND_1 on Bottom Layer "NONET_L-01_P-001" (solid, pour order 7): 212.917,58.766 212.817,58.666 212.817,30.742 199.9,17.825 195.534,17.825 192.834,20.525 187.902,20.525 186.825,21.602 186.825,40.159 190.623,43.957 193.129,43.957 197.802,48.63 197.802,58.959
GND on Bottom Layer "NONET_L-01_P-001" (solid, pour order 1): 115.825,26.4 107.825,34.4 87.525,34.4 79.9,26.775 79.9,18.525 88.825,18.525 88.825,30.125 90.625,31.925 106.7,31.925 109.921,28.704 109.937,22.95 114.257,22.957 115.825,24.525
GND on Bottom Layer "NONET_L-01_P-001" (solid, pour order 0): 72.449,11.913 83.185,22.65 109.637,22.65 113.619,26.632 114.956,26.632 115.757,25.831 115.757,24.457 112.025,20.725 96.6,20.725 89.625,13.75 82.25,13.75 77.45,8.95 72.975,8.95 71.986,9.939 71.936,11.401
GND_1 on Top Layer "NONET_L-01_P-001" (solid, pour order 6): 212.917,58.766 212.817,58.666 212.817,30.742 199.9,17.825 195.534,17.825 192.834,20.525 187.989,20.525 186.825,21.689 186.825,40.159 190.516,43.85 193.022,43.85 197.802,48.63 197.802,58.959

## Keep-outs
Keep-Out Layer:
  circle w0.254: c5,5 r1.5
  circle w0.254: c225,5 r1.5
  circle w0.254: c225,75 r1.5
  circle w0.254: c5,75 r1.5
  lines w0.254: 0,74.95 0,5 ccw(c5,5) 5,0 ; 0,75 cw(c5,75) 5,80 225,80 cw(c225,75) 230,75 ; 5.014,0 225.025,0 ; 225,0 ccw(c225,5) 230,5 ; 230,4.95 230,74.9

## Other copper
Top Layer:
  rectangle net NetL9_1: 181.75,62.55 190.65,66.433
  rectangle: 192.2,70.45 201.7,75.675
  rectangle net NetL8_1: 180.375,13.094 189.875,15.45
Bottom Layer:
  rectangle: 91.574,23.937 102.699,30.67
  rectangle: 98.8,35.377 102.551,43.85
  rectangle: 98.975,11.531 102.649,19.154
  rectangle net NetL9_1: 181.7,62.325 190.75,64.175
  rectangle: 192.05,73.85 201.1,75.625
  rectangle net +20V: 191.244,36.152 194.258,38.177
  rectangle net NetL8_1: 167.375,11.81 189.875,15.85
  rectangle net NetR14_1: 126.85,56.3 130.825,60.425
  rectangle net NetR13_1: 122.575,65.206 130.9,67.1

## Silkscreen, mask and mechanical layers (free items; w line width, h text height)
Top Overlay:
  circle w1: c5,5 r2.2
  circle w1: c225,75 r2.2
  circle w1: c5,75 r2.2
  circle w1: c225,5 r2.2
  text "PWM_I_G_V" at 229.379,62.804 h1 r90
  text "+5V GND" at 0.854,62.046 h1 r270
  text "I_SET" at 203.678,47.737 h0.8
  text "V_SET" at 208.551,47.737 h0.8
  text "V_REF" at 198.504,47.712 h0.8
  text "+18V_2 GND2" at 229.292,30.981 h0.8 r90
  text "b" at 203.721,27.908 h18 r90
  text "AC_IN" at 1.071,23.671 h1 r270
  text "+18V_2 GND2" at 229.288,21.029 h0.8 r90
  text "+18V_1 GND1" at 229.388,10.529 h0.8 r90

## Text inside footprints (layer, text, board x,y; h text height)
C11: Top Overlay "-" at 51.682,35.957 h3.05 r270; Top Overlay "+" at 52.19,46.625 h3.05 r270
C12: Top Overlay "-" at 51.682,11.507 h3.05 r270; Top Overlay "+" at 52.19,22.175 h3.05 r270
C13: Top Overlay "+" at 76.24,46.625 h3.05 r270; Top Overlay "-" at 75.732,35.957 h3.05 r270
C14: Top Overlay "+" at 76.24,22.05 h3.05 r270; Top Overlay "-" at 75.732,11.382 h3.05 r270
D1: Top Overlay "- AC AC +" at 25.846,12.821 h0.8 r180
U2: Bottom Overlay "P_2" at 588.518,112.909 h0.76 r180; Bottom Overlay "P_1" at 588.518,110.369 h0.76 r180; Bottom Overlay "VCC" at 588.518,80.016 h0.76 r180; Bottom Overlay "HO" at 588.518,82.556 h0.76 r180; Bottom Overlay "VS" at 588.518,85.096 h0.76 r180; Bottom Overlay "LO" at 588.518,87.636 h0.76 r180; Bottom Overlay "GND" at 588.518,90.176 h0.76 r180; Bottom Overlay "GND" at 588.518,92.716 h0.76 r180; Bottom Overlay "IS" at 588.518,95.256 h0.76 r180; Bottom Overlay "FB" at 588.518,97.796 h0.76 r180; Bottom Overlay "VC" at 588.518,100.336 h0.76 r180; Bottom Overlay "VE" at 588.518,102.876 h0.76 r180; Bottom Overlay "VCC" at 588.518,105.416 h0.76 r180; Bottom Overlay "GND" at 588.518,107.956 h0.76 r180; Top Overlay "P_2" at 584.962,112.909 h0.76 r180; Top Overlay "P_1" at 584.962,110.369 h0.76 r180; Top Overlay "GND" at 584.962,107.956 h0.76 r180; Top Overlay "VCC" at 584.962,105.416 h0.76 r180; Top Overlay "VE" at 584.962,102.876 h0.76 r180; Top Overlay "VC" at 584.962,100.336 h0.76 r180; Top Overlay "FB" at 584.962,97.796 h0.76 r180; Top Overlay "IS" at 584.962,95.256 h0.76 r180; Top Overlay "GND" at 584.962,92.716 h0.76 r180; Top Overlay "GND" at 584.962,90.176 h0.76 r180; Top Overlay "LO" at 584.962,87.636 h0.76 r180; Top Overlay "VS" at 584.962,85.096 h0.76 r180; Top Overlay "HO" at 584.962,82.556 h0.76 r180; Top Overlay "VCC" at 584.962,80.016 h0.76 r180